# EAGLE board Mk4 Final Panel 6up 3x2 (EAGLE 9.0.1), part 7 of 18
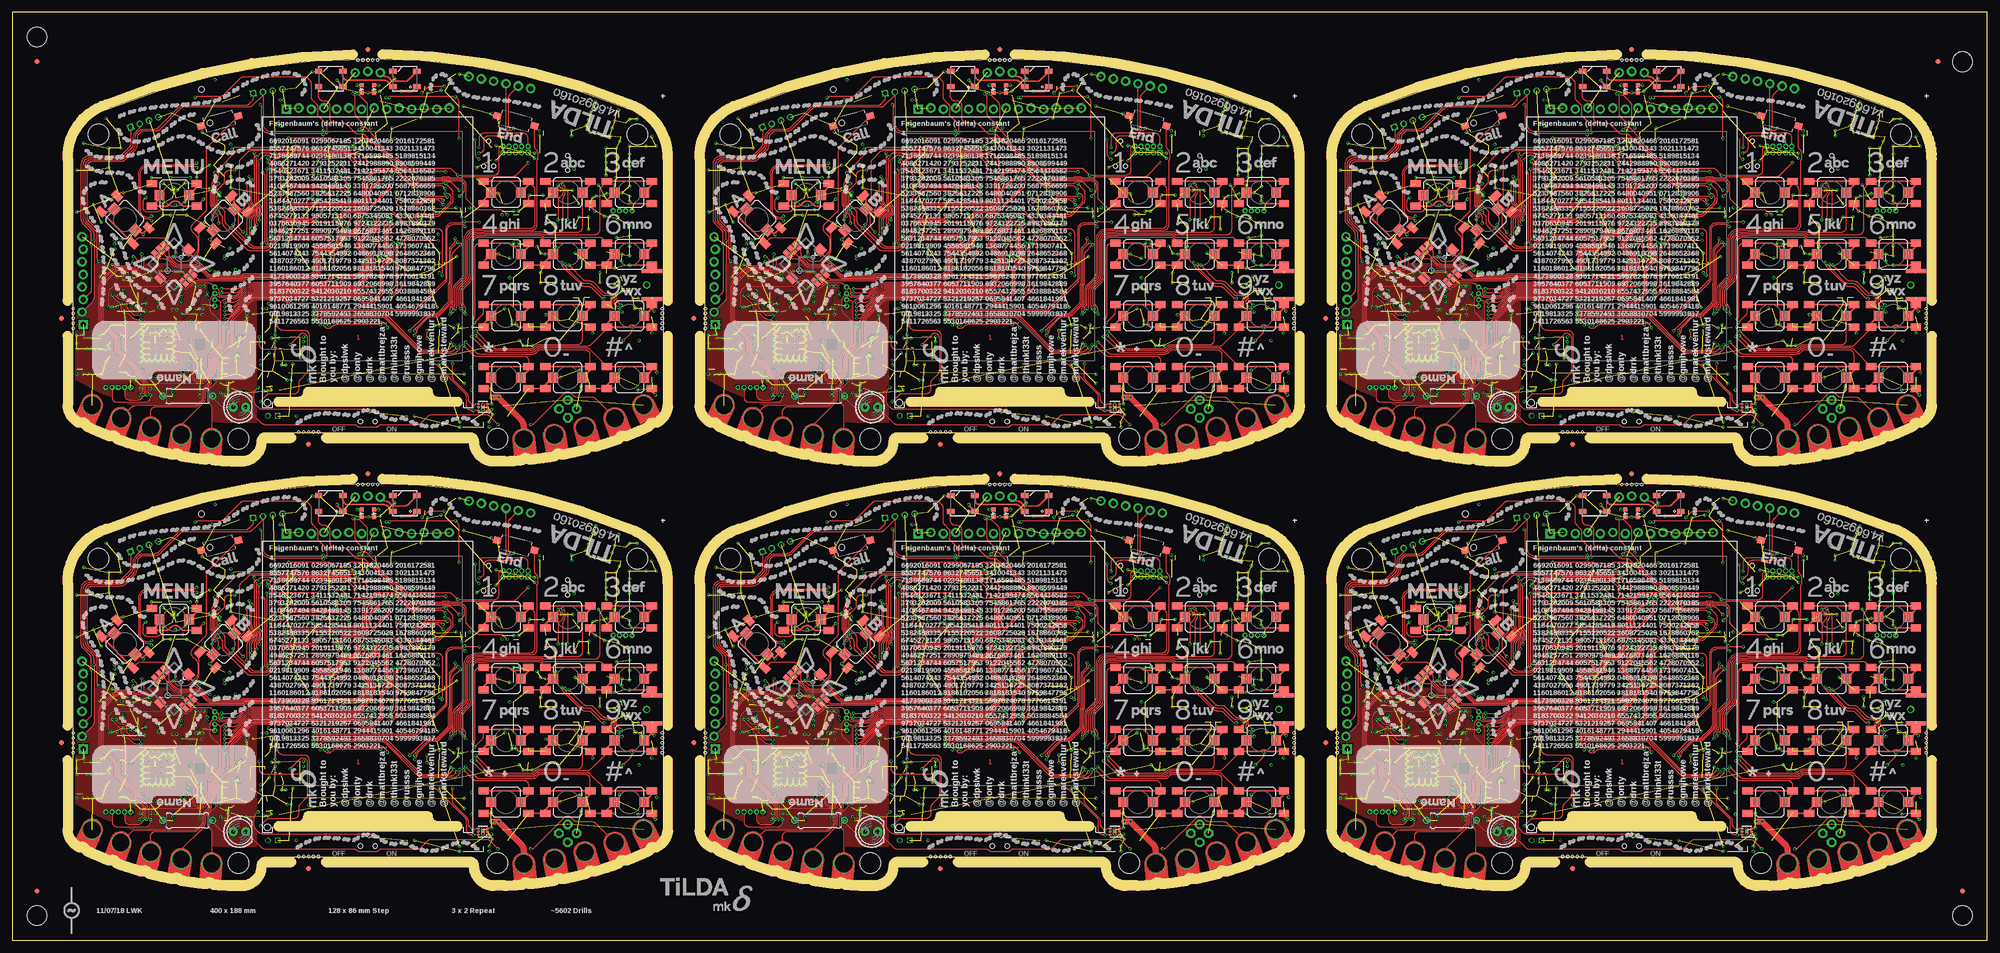
[diagram p0: board, top side]
## Tracks (layer width: path | path; a pad name or v marks a point on that pad's centre or on a via) (continued)
BTN_CALL  (via drill 0.3) (continued)
  Top 0.15: v90.65,34.6 90.65,34.26 arc-45 90.36,33.56 89.99,33.19 arc-45 89.29,32.9 83.22,32.9 arc-45 82.16,33.34 75.59,39.91 arc45 74.89,40.2 63.01,40.2 arc45 62.31,39.91 v61.8,39.4 | S16.2 39.86,75.1 arc45 39.27,73.69 39.27,62.19 arc-45 38.98,61.48 36.46,58.96 arc90 36.46,57.54 37.21,56.79 arc-45 37.5,56.09 37.5,53.91 arc-45 37.21,53.21 35.79,51.79 arc-45 35.08,51.49 34.02,51.49 arc-45 33.31,51.79 v32.6,52.5
  Bottom 0.15: IC4.15 90.5,34.75 v90.65,34.6 | v61.8,39.4 61.38,38.98 arc-90 60.32,38.98 57.72,41.58 arc45 57.01,41.88 56.17,41.88 arc-45 55.11,42.31 51.52,45.91 arc45 50.81,46.2 43.62,46.2 arc-45 43.48,46.26 43.28,46.47 arc45 43.14,46.52 42.7,46.52 arc-45 41.64,46.96 39.89,48.71 arc45 39.19,49 36.92,49 arc-45 36.03,49.37 35.09,50.31 arc45 34.39,50.6 33.85,50.6 arc-90 32.6,51.85 v32.6,52.5
BTN_CALL1  (via drill 0.3)
  Top 0.15: v218.65,34.6 218.65,34.26 arc-45 218.36,33.56 217.99,33.19 arc-45 217.29,32.9 211.22,32.9 arc-45 210.16,33.34 203.59,39.91 arc45 202.89,40.2 191.01,40.2 arc45 190.31,39.91 v189.8,39.4 | S37.2 167.86,75.1 arc45 167.28,73.69 167.28,62.19 arc-45 166.98,61.48 164.46,58.96 arc90 164.46,57.54 165.21,56.79 arc-45 165.5,56.09 165.5,53.91 arc-45 165.21,53.21 163.79,51.79 arc-45 163.08,51.49 162.02,51.49 arc-45 161.31,51.79 v160.6,52.5
  Bottom 0.15: IC31.15 218.5,34.75 v218.65,34.6 | v189.8,39.4 189.38,38.98 arc-90 188.32,38.98 185.72,41.58 arc45 185.01,41.88 184.17,41.88 arc-45 183.11,42.31 179.52,45.91 arc45 178.81,46.2 171.62,46.2 arc-45 171.48,46.26 171.28,46.47 arc45 171.13,46.52 170.7,46.52 arc-45 169.64,46.96 167.89,48.71 arc45 167.19,49 164.92,49 arc-45 164.03,49.37 163.09,50.31 arc45 162.39,50.6 161.85,50.6 arc-90 160.6,51.85 v160.6,52.5
BTN_CALL2  (via drill 0.3)
  Top 0.15: v90.65,120.6 90.65,120.26 arc-45 90.36,119.56 89.99,119.19 arc-45 89.29,118.9 83.22,118.9 arc-45 82.16,119.34 75.59,125.91 arc45 74.89,126.2 63.01,126.2 arc45 62.31,125.91 v61.8,125.4 | S58.2 39.86,161.1 arc45 39.27,159.69 39.27,148.19 arc-45 38.98,147.48 36.46,144.96 arc90 36.46,143.54 37.21,142.79 arc-45 37.5,142.09 37.5,139.91 arc-45 37.21,139.21 35.79,137.79 arc-45 35.08,137.49 34.02,137.49 arc-45 33.31,137.79 v32.6,138.5
  Bottom 0.15: IC49.15 90.5,120.75 v90.65,120.6 | v61.8,125.4 61.38,124.98 arc-90 60.32,124.98 57.72,127.58 arc45 57.01,127.88 56.17,127.88 arc-45 55.11,128.31 51.52,131.91 arc45 50.81,132.2 43.62,132.2 arc-45 43.48,132.26 43.28,132.47 arc45 43.14,132.53 42.7,132.53 arc-45 41.64,132.96 39.89,134.71 arc45 39.19,135 36.92,135 arc-45 36.03,135.37 35.09,136.31 arc45 34.39,136.6 33.85,136.6 arc-90 32.6,137.85 v32.6,138.5
BTN_CALL3  (via drill 0.3)
  Top 0.15: v218.65,120.6 218.65,120.26 arc-45 218.36,119.56 217.99,119.19 arc-45 217.29,118.9 211.22,118.9 arc-45 210.16,119.34 203.59,125.91 arc45 202.89,126.2 191.01,126.2 arc45 190.31,125.91 v189.8,125.4 | S79.2 167.86,161.1 arc45 167.28,159.69 167.28,148.19 arc-45 166.98,147.48 164.46,144.96 arc90 164.46,143.54 165.21,142.79 arc-45 165.5,142.09 165.5,139.91 arc-45 165.21,139.21 163.79,137.79 arc-45 163.08,137.49 162.02,137.49 arc-45 161.31,137.79 v160.6,138.5
  Bottom 0.15: IC67.15 218.5,120.75 v218.65,120.6 | v189.8,125.4 189.38,124.98 arc-90 188.32,124.98 185.72,127.58 arc45 185.01,127.88 184.17,127.88 arc-45 183.11,128.31 179.52,131.91 arc45 178.81,132.2 171.62,132.2 arc-45 171.48,132.26 171.28,132.47 arc45 171.13,132.53 170.7,132.53 arc-45 169.64,132.96 167.89,134.71 arc45 167.19,135 164.92,135 arc-45 164.03,135.37 163.09,136.31 arc45 162.39,136.6 161.85,136.6 arc-90 160.6,137.85 v160.6,138.5
BTN_CALL4  (via drill 0.3)
  Top 0.15: v346.65,34.6 346.65,34.26 arc-45 346.36,33.56 345.99,33.19 arc-45 345.29,32.9 339.22,32.9 arc-45 338.16,33.34 331.59,39.91 arc45 330.89,40.2 319.01,40.2 arc45 318.31,39.91 v317.8,39.4 | S100.2 295.86,75.1 arc45 295.27,73.69 295.27,62.19 arc-45 294.98,61.48 292.46,58.96 arc90 292.46,57.54 293.21,56.79 arc-45 293.5,56.09 293.5,53.91 arc-45 293.21,53.21 291.79,51.79 arc-45 291.08,51.49 290.02,51.49 arc-45 289.31,51.79 v288.6,52.5
  Bottom 0.15: IC85.15 346.5,34.75 v346.65,34.6 | v317.8,39.4 317.38,38.98 arc-90 316.32,38.98 313.72,41.58 arc45 313.01,41.88 312.17,41.88 arc-45 311.11,42.31 307.52,45.91 arc45 306.81,46.2 299.62,46.2 arc-45 299.48,46.26 299.28,46.47 arc45 299.13,46.52 298.7,46.52 arc-45 297.64,46.96 295.89,48.71 arc45 295.19,49 292.92,49 arc-45 292.03,49.37 291.09,50.31 arc45 290.39,50.6 289.85,50.6 arc-90 288.6,51.85 v288.6,52.5
BTN_CALL6  (via drill 0.3)
  Top 0.15: v346.65,120.6 346.65,120.26 arc-45 346.36,119.56 345.99,119.19 arc-45 345.29,118.9 339.22,118.9 arc-45 338.16,119.34 331.59,125.91 arc45 330.89,126.2 319.01,126.2 arc45 318.31,125.91 v317.8,125.4 | S142.2 295.86,161.1 arc45 295.27,159.69 295.27,148.19 arc-45 294.98,147.48 292.46,144.96 arc90 292.46,143.54 293.21,142.79 arc-45 293.5,142.09 293.5,139.91 arc-45 293.21,139.21 291.79,137.79 arc-45 291.08,137.49 290.02,137.49 arc-45 289.31,137.79 v288.6,138.5
  Bottom 0.15: IC121.15 346.5,120.75 v346.65,120.6 | v317.8,125.4 317.38,124.98 arc-90 316.32,124.98 313.72,127.58 arc45 313.01,127.88 312.17,127.88 arc-45 311.11,128.31 307.52,131.91 arc45 306.81,132.2 299.62,132.2 arc-45 299.48,132.26 299.28,132.47 arc45 299.13,132.53 298.7,132.53 arc-45 297.64,132.96 295.89,134.71 arc45 295.19,135 292.92,135 arc-45 292.03,135.37 291.09,136.31 arc45 290.39,136.6 289.85,136.6 arc-90 288.6,137.85 v288.6,138.5
BTN_END  (via drill 0.3)
  Top 0.2: S17.2 105.77,74.9 arc45 106.06,74.19 106.21,74.04 arc-45 106.5,73.34 106.5,72.46 arc-45 106.35,72.1 arc45 106.25,71.85 106.25,58.9 arc-90 105.25,57.9 95.45,57.9 95.38,57.83 93.9,57.83 arc90 91.9,55.83 91.9,49.05 arc-45 91.53,48.16 89.99,46.62 arc45 89.7,45.92 89.7,43.19 arc-45 89.41,42.48 89.3,42.37 arc45 89.15,42.02 89.15,41.77 89.2,41.72 v89.2,41.4
  Bottom 0.15: IC4.2 89.5,40.69 arc45 v89.21,41.39 v89.2,41.4
BTN_END1  (via drill 0.3)
  Top 0.2: S38.2 233.77,74.9 arc45 234.06,74.19 234.21,74.04 arc-45 234.5,73.34 234.5,72.46 arc-45 234.35,72.1 arc45 234.25,71.85 234.25,58.9 arc-90 233.25,57.9 223.46,57.9 223.38,57.83 221.9,57.83 arc90 219.9,55.83 219.9,49.05 arc-45 219.53,48.16 217.99,46.62 arc45 217.7,45.92 217.7,43.19 arc-45 217.41,42.48 217.3,42.37 arc45 217.15,42.02 217.15,41.77 217.2,41.72 v217.2,41.4
  Bottom 0.15: IC31.2 217.5,40.69 arc45 v217.21,41.39 v217.2,41.4
BTN_END2  (via drill 0.3)
  Top 0.2: S59.2 105.77,160.9 arc45 106.06,160.19 106.21,160.04 arc-45 106.5,159.34 106.5,158.46 arc-45 106.35,158.1 arc45 106.25,157.85 106.25,144.9 arc-90 105.25,143.9 95.45,143.9 95.38,143.82 93.9,143.82 arc90 91.9,141.82 91.9,135.05 arc-45 91.53,134.16 89.99,132.62 arc45 89.7,131.92 89.7,129.19 arc-45 89.41,128.49 89.3,128.37 arc45 89.15,128.02 89.15,127.77 89.2,127.72 v89.2,127.4
  Bottom 0.15: IC49.2 89.5,126.69 arc45 v89.21,127.39 v89.2,127.4
BTN_END3  (via drill 0.3)
  Top 0.2: S80.2 233.77,160.9 arc45 234.06,160.19 234.21,160.04 arc-45 234.5,159.34 234.5,158.46 arc-45 234.35,158.1 arc45 234.25,157.85 234.25,144.9 arc-90 233.25,143.9 223.46,143.9 223.38,143.82 221.9,143.82 arc90 219.9,141.82 219.9,135.05 arc-45 219.53,134.16 217.99,132.62 arc45 217.7,131.92 217.7,129.19 arc-45 217.41,128.49 217.3,128.37 arc45 217.15,128.02 217.15,127.77 217.2,127.72 v217.2,127.4
  Bottom 0.15: IC67.2 217.5,126.69 arc45 v217.21,127.39 v217.2,127.4
BTN_END4  (via drill 0.3)
  Top 0.2: S101.2 361.77,74.9 arc45 362.06,74.19 362.21,74.04 arc-45 362.5,73.34 362.5,72.46 arc-45 362.35,72.1 arc45 362.25,71.85 362.25,58.9 arc-90 361.25,57.9 351.45,57.9 351.38,57.83 349.9,57.83 arc90 347.9,55.83 347.9,49.05 arc-45 347.53,48.16 345.99,46.62 arc45 345.7,45.92 345.7,43.19 arc-45 345.41,42.48 345.3,42.37 arc45 345.15,42.02 345.15,41.77 345.2,41.72 v345.2,41.4
  Bottom 0.15: IC85.2 345.5,40.69 arc45 v345.21,41.39 v345.2,41.4
BTN_END6  (via drill 0.3)
  Top 0.2: S143.2 361.77,160.9 arc45 362.06,160.19 362.21,160.04 arc-45 362.5,159.34 362.5,158.46 arc-45 362.35,158.1 arc45 362.25,157.85 362.25,144.9 arc-90 361.25,143.9 351.45,143.9 351.38,143.82 349.9,143.82 arc90 347.9,141.82 347.9,135.05 arc-45 347.53,134.16 345.99,132.62 arc45 345.7,131.92 345.7,129.19 arc-45 345.41,128.49 345.3,128.37 arc45 345.15,128.02 345.15,127.77 345.2,127.72 v345.2,127.4
  Bottom 0.15: IC121.2 345.5,126.69 arc45 v345.21,127.39 v345.2,127.4
BTN_MENU  (via drill 0.3)
  Top 0.15: S14.B1 v38.75,64.15 | v56,76.5 64.23,76.5 arc-45 64.94,76.21 65.08,76.07 arc45 65.78,75.78 67.02,75.78 arc45 67.72,76.07 67.86,76.21 arc-45 68.57,76.5 71.23,76.5 arc-45 71.93,76.21 72.37,75.77 arc45 73.08,75.47 arc-45 73.33,75.37 77.02,71.68 arc-45 77.08,71.54 77.08,71.47 arc90 77.58,70.97 77.64,70.97 arc-45 77.78,70.92 v78.45,70.25
  Top 0.3: S14.2 29.8,64.3 S14.B2 31.09,62.75 arc45 31.79,63.04 32.21,63.46 arc-45 32.91,63.75 33.09,63.75 arc-45 33.79,63.46 34.21,63.04 arc45 34.91,62.75 S14.B1
  Bottom 0.15: v56,76.5 40.75,76.5 arc90 38.75,74.5 v38.75,64.15 | IC1.102 78.95,69.2 arc-90 78.45,69.7 v78.45,70.25
BTN_MENU1  (via drill 0.3)
  Top 0.15: S36.B1 v166.75,64.15 | v184,76.5 192.23,76.5 arc-45 192.94,76.21 193.08,76.07 arc45 193.78,75.78 195.02,75.78 arc45 195.72,76.07 195.86,76.21 arc-45 196.57,76.5 199.23,76.5 arc-45 199.93,76.21 200.37,75.77 arc45 201.08,75.47 arc-45 201.33,75.37 205.02,71.68 arc-45 205.07,71.54 205.07,71.47 arc90 205.57,70.97 205.64,70.97 arc-45 205.78,70.92 v206.45,70.25
  Top 0.3: S36.2 157.8,64.3 S36.B2 159.09,62.75 arc45 159.79,63.04 160.21,63.46 arc-45 160.91,63.75 161.09,63.75 arc-45 161.79,63.46 162.21,63.04 arc45 162.91,62.75 S36.B1
  Bottom 0.15: v184,76.5 168.75,76.5 arc90 166.75,74.5 v166.75,64.15 | IC20.102 206.95,69.2 arc-90 206.45,69.7 v206.45,70.25
BTN_MENU2  (via drill 0.3)
  Top 0.15: S57.B1 v38.75,150.15 | v56,162.5 64.23,162.5 arc-45 64.94,162.21 65.08,162.07 arc45 65.78,161.78 67.02,161.78 arc45 67.72,162.07 67.86,162.21 arc-45 68.57,162.5 71.23,162.5 arc-45 71.93,162.21 72.37,161.77 arc45 73.08,161.47 arc-45 73.33,161.37 77.02,157.68 arc-45 77.08,157.54 77.08,157.47 arc90 77.58,156.97 77.64,156.97 arc-45 77.78,156.92 v78.45,156.25
  Top 0.3: S57.2 29.8,150.3 S57.B2 31.09,148.75 arc45 31.79,149.04 32.21,149.46 arc-45 32.91,149.75 33.09,149.75 arc-45 33.79,149.46 34.21,149.04 arc45 34.91,148.75 S57.B1
  Bottom 0.15: v56,162.5 40.75,162.5 arc90 38.75,160.5 v38.75,150.15 | IC38.102 78.95,155.2 arc-90 78.45,155.7 v78.45,156.25
BTN_MENU3  (via drill 0.3)
  Top 0.15: S78.B1 v166.75,150.15 | v184,162.5 192.23,162.5 arc-45 192.94,162.21 193.08,162.07 arc45 193.78,161.78 195.02,161.78 arc45 195.72,162.07 195.86,162.21 arc-45 196.57,162.5 199.23,162.5 arc-45 199.93,162.21 200.37,161.77 arc45 201.08,161.47 arc-45 201.33,161.37 205.02,157.68 arc-45 205.07,157.54 205.07,157.47 arc90 205.57,156.97 205.64,156.97 arc-45 205.78,156.92 v206.45,156.25
  Top 0.3: S78.2 157.8,150.3 S78.B2 159.09,148.75 arc45 159.79,149.04 160.21,149.46 arc-45 160.91,149.75 161.09,149.75 arc-45 161.79,149.46 162.21,149.04 arc45 162.91,148.75 S78.B1
  Bottom 0.15: v184,162.5 168.75,162.5 arc90 166.75,160.5 v166.75,150.15 | IC56.102 206.95,155.2 arc-90 206.45,155.7 v206.45,156.25
BTN_MENU4  (via drill 0.3)
  Top 0.15: S99.B1 v294.75,64.15 | v312,76.5 320.23,76.5 arc-45 320.94,76.21 321.08,76.07 arc45 321.78,75.78 323.02,75.78 arc45 323.72,76.07 323.86,76.21 arc-45 324.57,76.5 327.23,76.5 arc-45 327.93,76.21 328.37,75.77 arc45 329.08,75.47 arc-45 329.33,75.37 333.02,71.68 arc-45 333.07,71.54 333.07,71.47 arc90 333.57,70.97 333.64,70.97 arc-45 333.78,70.92 v334.45,70.25
  Top 0.3: S99.2 285.8,64.3 S99.B2 287.09,62.75 arc45 287.79,63.04 288.21,63.46 arc-45 288.91,63.75 289.09,63.75 arc-45 289.79,63.46 290.21,63.04 arc45 290.91,62.75 S99.B1
  Bottom 0.15: v312,76.5 296.75,76.5 arc90 294.75,74.5 v294.75,64.15 | IC74.102 334.95,69.2 arc-90 334.45,69.7 v334.45,70.25
BTN_MENU6  (via drill 0.3)
  Top 0.15: S141.B1 v294.75,150.15 | v312,162.5 320.23,162.5 arc-45 320.94,162.21 321.08,162.07 arc45 321.78,161.78 323.02,161.78 arc45 323.72,162.07 323.86,162.21 arc-45 324.57,162.5 327.23,162.5 arc-45 327.93,162.21 328.37,161.77 arc45 329.08,161.47 arc-45 329.33,161.37 333.02,157.68 arc-45 333.07,157.54 333.07,157.47 arc90 333.57,156.97 333.64,156.97 arc-45 333.78,156.92 v334.45,156.25
  Top 0.3: S141.2 285.8,150.3 S141.B2 287.09,148.75 arc45 287.79,149.04 288.21,149.46 arc-45 288.91,149.75 289.09,149.75 arc-45 289.79,149.46 290.21,149.04 arc45 290.91,148.75 S141.B1
  Bottom 0.15: v312,162.5 296.75,162.5 arc90 294.75,160.5 v294.75,150.15 | IC110.102 334.95,155.2 arc-90 334.45,155.7 v334.45,156.25
BTST
  Bottom 0.15: IC8.21 50.54,35.75 50.04,35.25 C37.1
BTST1
  Bottom 0.15: IC24.21 178.54,35.75 178.04,35.25 C150.1
BTST2
  Bottom 0.15: IC42.21 50.54,121.75 50.04,121.25 C258.1
BTST3
  Bottom 0.15: IC60.21 178.54,121.75 178.04,121.25 C366.1
BTST4
  Bottom 0.15: IC78.21 306.54,35.75 306.04,35.25 C474.1
BTST6
  Bottom 0.15: IC114.21 306.54,121.75 306.04,121.25 C690.1
CC_!HIB  (via drill 0.3)
  Top 0.15: v43,43.2 44.48,43.2 arc45 45.72,43.71 47.07,45.07 arc-45 48.84,45.8 69.05,45.8 arc45 70.29,46.31 72.71,48.73 arc45 73,49.44 73,49.89 arc-45 73.15,50.25 73.35,50.45 arc45 73.5,50.81 73.5,51.1 arc-90 74,51.6 74.89,51.6 arc45 75.59,51.89 75.73,52.03 arc45 76.03,52.74 76.03,52.97 76,52.99 arc45 75.82,53.44 75.59,53.66 arc-45 75.3,54.37 75.3,58.46 arc-45 75.22,58.64 75.22,58.86 arc-45 75.3,59.04 75.3,59.29 arc-45 75.45,59.65 v76.1,60.3
  Bottom 0.15: IC15.2 32.75,29.7 arc45 32.89,29.36 33.88,28.38 arc45 34.18,28.25 35.79,28.25 arc45 36.15,28.4 R25.1 36.88,28.37 arc45 37.23,28.23 38.3,28.23 arc90 38.8,28.73 38.8,30.5 arc-45 39.39,31.91 40.81,33.33 arc45 41.1,34.04 41.1,40.89 arc-45 41.39,41.59 v43,43.2 | IC1.124 77.22,60.4 arc-45 77.08,60.46 77.08,60.47 arc45 76.94,60.52 76.53,60.52 arc45 76.18,60.38 v76.1,60.3
CC_!HIB1  (via drill 0.3)
  Top 0.15: v171,43.2 172.48,43.2 arc45 173.72,43.71 175.07,45.07 arc-45 176.84,45.8 197.05,45.8 arc45 198.29,46.31 200.71,48.73 arc45 201,49.44 201,49.89 arc-45 201.15,50.25 201.35,50.45 arc45 201.5,50.81 201.5,51.1 arc-90 202,51.6 202.89,51.6 arc45 203.59,51.89 203.73,52.03 arc45 204.03,52.74 204.03,52.97 204,52.99 arc45 203.82,53.44 203.59,53.66 arc-45 203.3,54.37 203.3,58.46 arc-45 203.22,58.64 203.22,58.86 arc-45 203.3,59.04 203.3,59.29 arc-45 203.45,59.65 v204.1,60.3
  Bottom 0.15: IC29.2 160.75,29.7 arc45 160.89,29.36 161.88,28.38 arc45 162.18,28.25 163.79,28.25 arc45 164.15,28.4 R107.1 164.88,28.37 arc45 165.23,28.23 166.3,28.23 arc90 166.8,28.73 166.8,30.5 arc-45 167.39,31.91 168.81,33.33 arc45 169.1,34.04 169.1,40.89 arc-45 169.39,41.59 v171,43.2 | IC20.124 205.22,60.4 arc-45 205.08,60.46 205.08,60.47 arc45 204.94,60.52 204.53,60.52 arc45 204.18,60.38 v204.1,60.3
CC_!HIB2  (via drill 0.3)
  Top 0.15: v43,129.2 44.48,129.2 arc45 45.72,129.71 47.07,131.07 arc-45 48.84,131.8 69.05,131.8 arc45 70.29,132.31 72.71,134.73 arc45 73,135.44 73,135.89 arc-45 73.15,136.25 73.35,136.45 arc45 73.5,136.81 73.5,137.1 arc-90 74,137.6 74.89,137.6 arc45 75.59,137.89 75.73,138.03 arc45 76.03,138.74 76.03,138.97 76,138.99 arc45 75.82,139.44 75.59,139.66 arc-45 75.3,140.37 75.3,144.46 arc-45 75.22,144.64 75.22,144.86 arc-45 75.3,145.04 75.3,145.29 arc-45 75.45,145.65 v76.1,146.3
  Bottom 0.15: IC47.2 32.75,115.7 arc45 32.89,115.36 33.88,114.38 arc45 34.18,114.25 35.79,114.25 arc45 36.15,114.4 R185.1 36.88,114.37 arc45 37.23,114.22 38.3,114.22 arc90 38.8,114.72 38.8,116.5 arc-45 39.39,117.91 40.81,119.33 arc45 41.1,120.04 41.1,126.89 arc-45 41.39,127.59 v43,129.2 | IC38.124 77.22,146.4 arc-45 77.08,146.46 77.08,146.47 arc45 76.94,146.53 76.53,146.53 arc45 76.18,146.38 v76.1,146.3
CC_!HIB3  (via drill 0.3)
  Top 0.15: v171,129.2 172.48,129.2 arc45 173.72,129.71 175.07,131.07 arc-45 176.84,131.8 197.05,131.8 arc45 198.29,132.31 200.71,134.73 arc45 201,135.44 201,135.89 arc-45 201.15,136.25 201.35,136.45 arc45 201.5,136.81 201.5,137.1 arc-90 202,137.6 202.89,137.6 arc45 203.59,137.89 203.73,138.03 arc45 204.03,138.74 204.03,138.97 204,138.99 arc45 203.82,139.44 203.59,139.66 arc-45 203.3,140.37 203.3,144.46 arc-45 203.22,144.64 203.22,144.86 arc-45 203.3,145.04 203.3,145.29 arc-45 203.45,145.65 v204.1,146.3
  Bottom 0.15: IC65.2 160.75,115.7 arc45 160.89,115.36 161.88,114.38 arc45 162.18,114.25 163.79,114.25 arc45 164.15,114.4 R263.1 164.88,114.37 arc45 165.23,114.22 166.3,114.22 arc90 166.8,114.72 166.8,116.5 arc-45 167.39,117.91 168.81,119.33 arc45 169.1,120.04 169.1,126.89 arc-45 169.39,127.59 v171,129.2 | IC56.124 205.22,146.4 arc-45 205.08,146.46 205.08,146.47 arc45 204.94,146.53 204.53,146.53 arc45 204.18,146.38 v204.1,146.3
CC_!HIB4  (via drill 0.3)
  Top 0.15: v299,43.2 300.48,43.2 arc45 301.72,43.71 303.07,45.07 arc-45 304.84,45.8 325.05,45.8 arc45 326.29,46.31 328.71,48.73 arc45 329,49.44 329,49.89 arc-45 329.15,50.25 329.35,50.45 arc45 329.5,50.81 329.5,51.1 arc-90 330,51.6 330.89,51.6 arc45 331.59,51.89 331.73,52.03 arc45 332.02,52.74 332.02,52.97 332,52.99 arc45 331.82,53.44 331.59,53.66 arc-45 331.3,54.37 331.3,58.46 arc-45 331.23,58.64 331.23,58.86 arc-45 331.3,59.04 331.3,59.29 arc-45 331.45,59.65 v332.1,60.3
  Bottom 0.15: IC83.2 288.75,29.7 arc45 288.89,29.36 289.88,28.38 arc45 290.18,28.25 291.79,28.25 arc45 292.15,28.4 R341.1 292.88,28.37 arc45 293.23,28.23 294.3,28.23 arc90 294.8,28.73 294.8,30.5 arc-45 295.39,31.91 296.81,33.33 arc45 297.1,34.04 297.1,40.89 arc-45 297.39,41.59 v299,43.2 | IC74.124 333.23,60.4 arc-45 333.08,60.46 333.08,60.47 arc45 332.94,60.52 332.53,60.52 arc45 332.18,60.38 v332.1,60.3
CC_!HIB6  (via drill 0.3)
  Top 0.15: v299,129.2 300.48,129.2 arc45 301.72,129.71 303.07,131.07 arc-45 304.84,131.8 325.05,131.8 arc45 326.29,132.31 328.71,134.73 arc45 329,135.44 329,135.89 arc-45 329.15,136.25 329.35,136.45 arc45 329.5,136.81 329.5,137.1 arc-90 330,137.6 330.89,137.6 arc45 331.59,137.89 331.73,138.03 arc45 332.02,138.74 332.02,138.97 332,138.99 arc45 331.82,139.44 331.59,139.66 arc-45 331.3,140.37 331.3,144.46 arc-45 331.23,144.64 331.23,144.86 arc-45 331.3,145.04 331.3,145.29 arc-45 331.45,145.65 v332.1,146.3
  Bottom 0.15: IC119.2 288.75,115.7 arc45 288.89,115.36 289.88,114.38 arc45 290.18,114.25 291.79,114.25 arc45 292.15,114.4 R497.1 292.88,114.37 arc45 293.23,114.22 294.3,114.22 arc90 294.8,114.72 294.8,116.5 arc-45 295.39,117.91 296.81,119.33 arc45 297.1,120.04 297.1,126.89 arc-45 297.39,127.59 v299,129.2 | IC110.124 333.23,146.4 arc-45 333.08,146.46 333.08,146.47 arc45 332.94,146.53 332.53,146.53 arc45 332.18,146.38 v332.1,146.3
CC_!RESET  (via drill 0.3)
  Top 0.15: v73.2,60.5 73.2,59.95 arc45 73.35,59.6 73.38,59.56 arc-45 73.53,59.21 73.53,59.09 arc-45 73.45,58.9 arc45 73.3,58.55 73.3,58.54 arc-45 73.15,58.19 70.86,55.89 arc90 70.86,54.12 72.31,52.67 arc-45 72.6,51.96 72.6,51.41 arc-45 72.45,51.05 72.25,50.85 arc45 72.1,50.49 72.1,50.22 arc-45 71.51,48.81 69.7,46.99 arc-45 68.99,46.7 48.78,46.7 arc45 46.58,45.85 45.63,44.89 arc-45 44.92,44.6 42.3,44.6 arc-90 41.8,45.1 41.8,45.51 arc90 JP5.4 40.39,46.91 arc45 39.69,47.2 37.13,47.2 arc45 36.78,47.05 36.26,46.53 arc-45 35.94,46.4 arc45 35.59,46.25 35.28,45.95 arc-90 34.92,45.95 33.56,47.31 arc45 32.86,47.6 31.81,47.6 arc45 31.11,47.31 30.49,46.69 arc-45 29.79,46.4 20.9,46.4 arc90 19.4,44.9 19.4,42.34 v19.5,42.24 v19.5,42.25
  Bottom 0.15: IC1.12 73.8,59.69 arc45 73.65,60.05 v73.2,60.5
  Bottom 0.2: IC15.32 24.75,38.25 24.54,38.46 arc-45 24.25,39.16 24.25,39.5 arc90 23.25,40.5 R73.1 C60.2 arc-90 19.5,41.25 v19.5,42.25
CC_!RESET1  (via drill 0.3)
  Top 0.15: v201.2,60.5 201.2,59.95 arc45 201.35,59.6 201.38,59.56 arc-45 201.53,59.21 201.53,59.09 arc-45 201.45,58.9 arc45 201.3,58.55 201.3,58.54 arc-45 201.15,58.19 198.86,55.89 arc90 198.86,54.12 200.31,52.67 arc-45 200.6,51.96 200.6,51.41 arc-45 200.45,51.05 200.25,50.85 arc45 200.1,50.49 200.1,50.22 arc-45 199.51,48.81 197.7,46.99 arc-45 196.99,46.7 176.78,46.7 arc45 174.58,45.85 173.63,44.89 arc-45 172.92,44.6 170.3,44.6 arc-90 169.8,45.1 169.8,45.51 arc90 JP16.4 168.39,46.91 arc45 167.69,47.2 165.13,47.2 arc45 164.78,47.05 164.26,46.53 arc-45 163.94,46.4 arc45 163.58,46.25 163.28,45.95 arc-90 162.93,45.95 161.56,47.31 arc45 160.86,47.6 159.81,47.6 arc45 159.11,47.31 158.49,46.69 arc-45 157.79,46.4 148.9,46.4 arc90 147.4,44.9 147.4,42.34 v147.5,42.24 v147.5,42.25
  Bottom 0.15: IC20.12 201.8,59.69 arc45 201.65,60.05 v201.2,60.5
  Bottom 0.2: IC29.32 152.75,38.25 152.54,38.46 arc-45 152.25,39.16 152.25,39.5 arc90 151.25,40.5 R151.1 C187.2 arc-90 147.5,41.25 v147.5,42.25
CC_!RESET2  (via drill 0.3)
  Top 0.15: v73.2,146.5 73.2,145.95 arc45 73.35,145.6 73.38,145.56 arc-45 73.53,145.21 73.53,145.09 arc-45 73.45,144.9 arc45 73.3,144.55 73.3,144.54 arc-45 73.15,144.19 70.86,141.89 arc90 70.86,140.12 72.31,138.67 arc-45 72.6,137.96 72.6,137.41 arc-45 72.45,137.05 72.25,136.85 arc45 72.1,136.49 72.1,136.22 arc-45 71.51,134.81 69.7,132.99 arc-45 68.99,132.7 48.78,132.7 arc45 46.58,131.85 45.63,130.89 arc-45 44.92,130.6 42.3,130.6 arc-90 41.8,131.1 41.8,131.51 arc90 JP25.4 40.39,132.91 arc45 39.69,133.2 37.13,133.2 arc45 36.78,133.05 36.26,132.53 arc-45 35.94,132.4 arc45 35.59,132.25 35.28,131.95 arc-90 34.92,131.95 33.56,133.31 arc45 32.86,133.6 31.81,133.6 arc45 31.11,133.31 30.49,132.69 arc-45 29.79,132.4 20.9,132.4 arc90 19.4,130.9 19.4,128.34 v19.5,128.24 v19.5,128.25
  Bottom 0.15: IC38.12 73.8,145.69 arc45 73.65,146.05 v73.2,146.5
  Bottom 0.2: IC47.32 24.75,124.25 24.54,124.46 arc-45 24.25,125.16 24.25,125.5 arc90 23.25,126.5 R229.1 C295.2 arc-90 19.5,127.25 v19.5,128.25
CC_!RESET3  (via drill 0.3)
  Top 0.15: v201.2,146.5 201.2,145.95 arc45 201.35,145.6 201.38,145.56 arc-45 201.53,145.21 201.53,145.09 arc-45 201.45,144.9 arc45 201.3,144.55 201.3,144.54 arc-45 201.15,144.19 198.86,141.89 arc90 198.86,140.12 200.31,138.67 arc-45 200.6,137.96 200.6,137.41 arc-45 200.45,137.05 200.25,136.85 arc45 200.1,136.49 200.1,136.22 arc-45 199.51,134.81 197.7,132.99 arc-45 196.99,132.7 176.78,132.7 arc45 174.58,131.85 173.63,130.89 arc-45 172.92,130.6 170.3,130.6 arc-90 169.8,131.1 169.8,131.51 arc90 JP34.4 168.39,132.91 arc45 167.69,133.2 165.13,133.2 arc45 164.78,133.05 164.26,132.53 arc-45 163.94,132.4 arc45 163.58,132.25 163.28,131.95 arc-90 162.93,131.95 161.56,133.31 arc45 160.86,133.6 159.81,133.6 arc45 159.11,133.31 158.49,132.69 arc-45 157.79,132.4 148.9,132.4 arc90 147.4,130.9 147.4,128.34 v147.5,128.24 v147.5,128.25
  Bottom 0.15: IC56.12 201.8,145.69 arc45 201.65,146.05 v201.2,146.5
  Bottom 0.2: IC65.32 152.75,124.25 152.54,124.46 arc-45 152.25,125.16 152.25,125.5 arc90 151.25,126.5 R307.1 C403.2 arc-90 147.5,127.25 v147.5,128.25
CC_!RESET4  (via drill 0.3)
  Top 0.15: v329.2,60.5 329.2,59.95 arc45 329.35,59.6 329.38,59.56 arc-45 329.52,59.21 329.52,59.09 arc-45 329.45,58.9 arc45 329.3,58.55 329.3,58.54 arc-45 329.15,58.19 326.86,55.89 arc90 326.86,54.12 328.31,52.67 arc-45 328.6,51.96 328.6,51.41 arc-45 328.45,51.05 328.25,50.85 arc45 328.1,50.49 328.1,50.22 arc-45 327.51,48.81 325.7,46.99 arc-45 324.99,46.7 304.78,46.7 arc45 302.58,45.85 301.63,44.89 arc-45 300.92,44.6 298.3,44.6 arc-90 297.8,45.1 297.8,45.51 arc90 JP43.4 296.39,46.91 arc45 295.69,47.2 293.13,47.2 arc45 292.78,47.05 292.26,46.53 arc-45 291.94,46.4 arc45 291.59,46.25 291.28,45.95 arc-90 290.93,45.95 289.56,47.31 arc45 288.86,47.6 287.81,47.6 arc45 287.11,47.31 286.49,46.69 arc-45 285.79,46.4 276.9,46.4 arc90 275.4,44.9 275.4,42.34 v275.5,42.24 v275.5,42.25
  Bottom 0.15: IC74.12 329.8,59.69 arc45 329.65,60.05 v329.2,60.5
  Bottom 0.2: IC83.32 280.75,38.25 280.54,38.46 arc-45 280.25,39.16 280.25,39.5 arc90 279.25,40.5 R385.1 C511.2 arc-90 275.5,41.25 v275.5,42.25
CC_!RESET6  (via drill 0.3)
  Top 0.15: v329.2,146.5 329.2,145.95 arc45 329.35,145.6 329.38,145.56 arc-45 329.52,145.21 329.52,145.09 arc-45 329.45,144.9 arc45 329.3,144.55 329.3,144.54 arc-45 329.15,144.19 326.86,141.89 arc90 326.86,140.12 328.31,138.67 arc-45 328.6,137.96 328.6,137.41 arc-45 328.45,137.05 328.25,136.85 arc45 328.1,136.49 328.1,136.22 arc-45 327.51,134.81 325.7,132.99 arc-45 324.99,132.7 304.78,132.7 arc45 302.58,131.85 301.63,130.89 arc-45 300.92,130.6 298.3,130.6 arc-90 297.8,131.1 297.8,131.51 arc90 JP61.4 296.39,132.91 arc45 295.69,133.2 293.13,133.2 arc45 292.78,133.05 292.26,132.53 arc-45 291.94,132.4 arc45 291.59,132.25 291.28,131.95 arc-90 290.93,131.95 289.56,133.31 arc45 288.86,133.6 287.81,133.6 arc45 287.11,133.31 286.49,132.69 arc-45 285.79,132.4 276.9,132.4 arc90 275.4,130.9 275.4,128.34 v275.5,128.24 v275.5,128.25
  Bottom 0.15: IC110.12 329.8,145.69 arc45 329.65,146.05 v329.2,146.5
  Bottom 0.2: IC119.32 280.75,124.25 280.54,124.46 arc-45 280.25,125.16 280.25,125.5 arc90 279.25,126.5 R541.1 C727.2 arc-90 275.5,127.25 v275.5,128.25
CC_!RTS
  Bottom 0.2: IC15.50 35.04,37.75 arc-45 35.4,37.6 35.65,37.35 arc45 36.01,37.2 38.05,37.2 arc90 38.55,37.7 38.55,37.8 R70.1